# KiCad board for_real_486_2.kicad_pcb (continued)
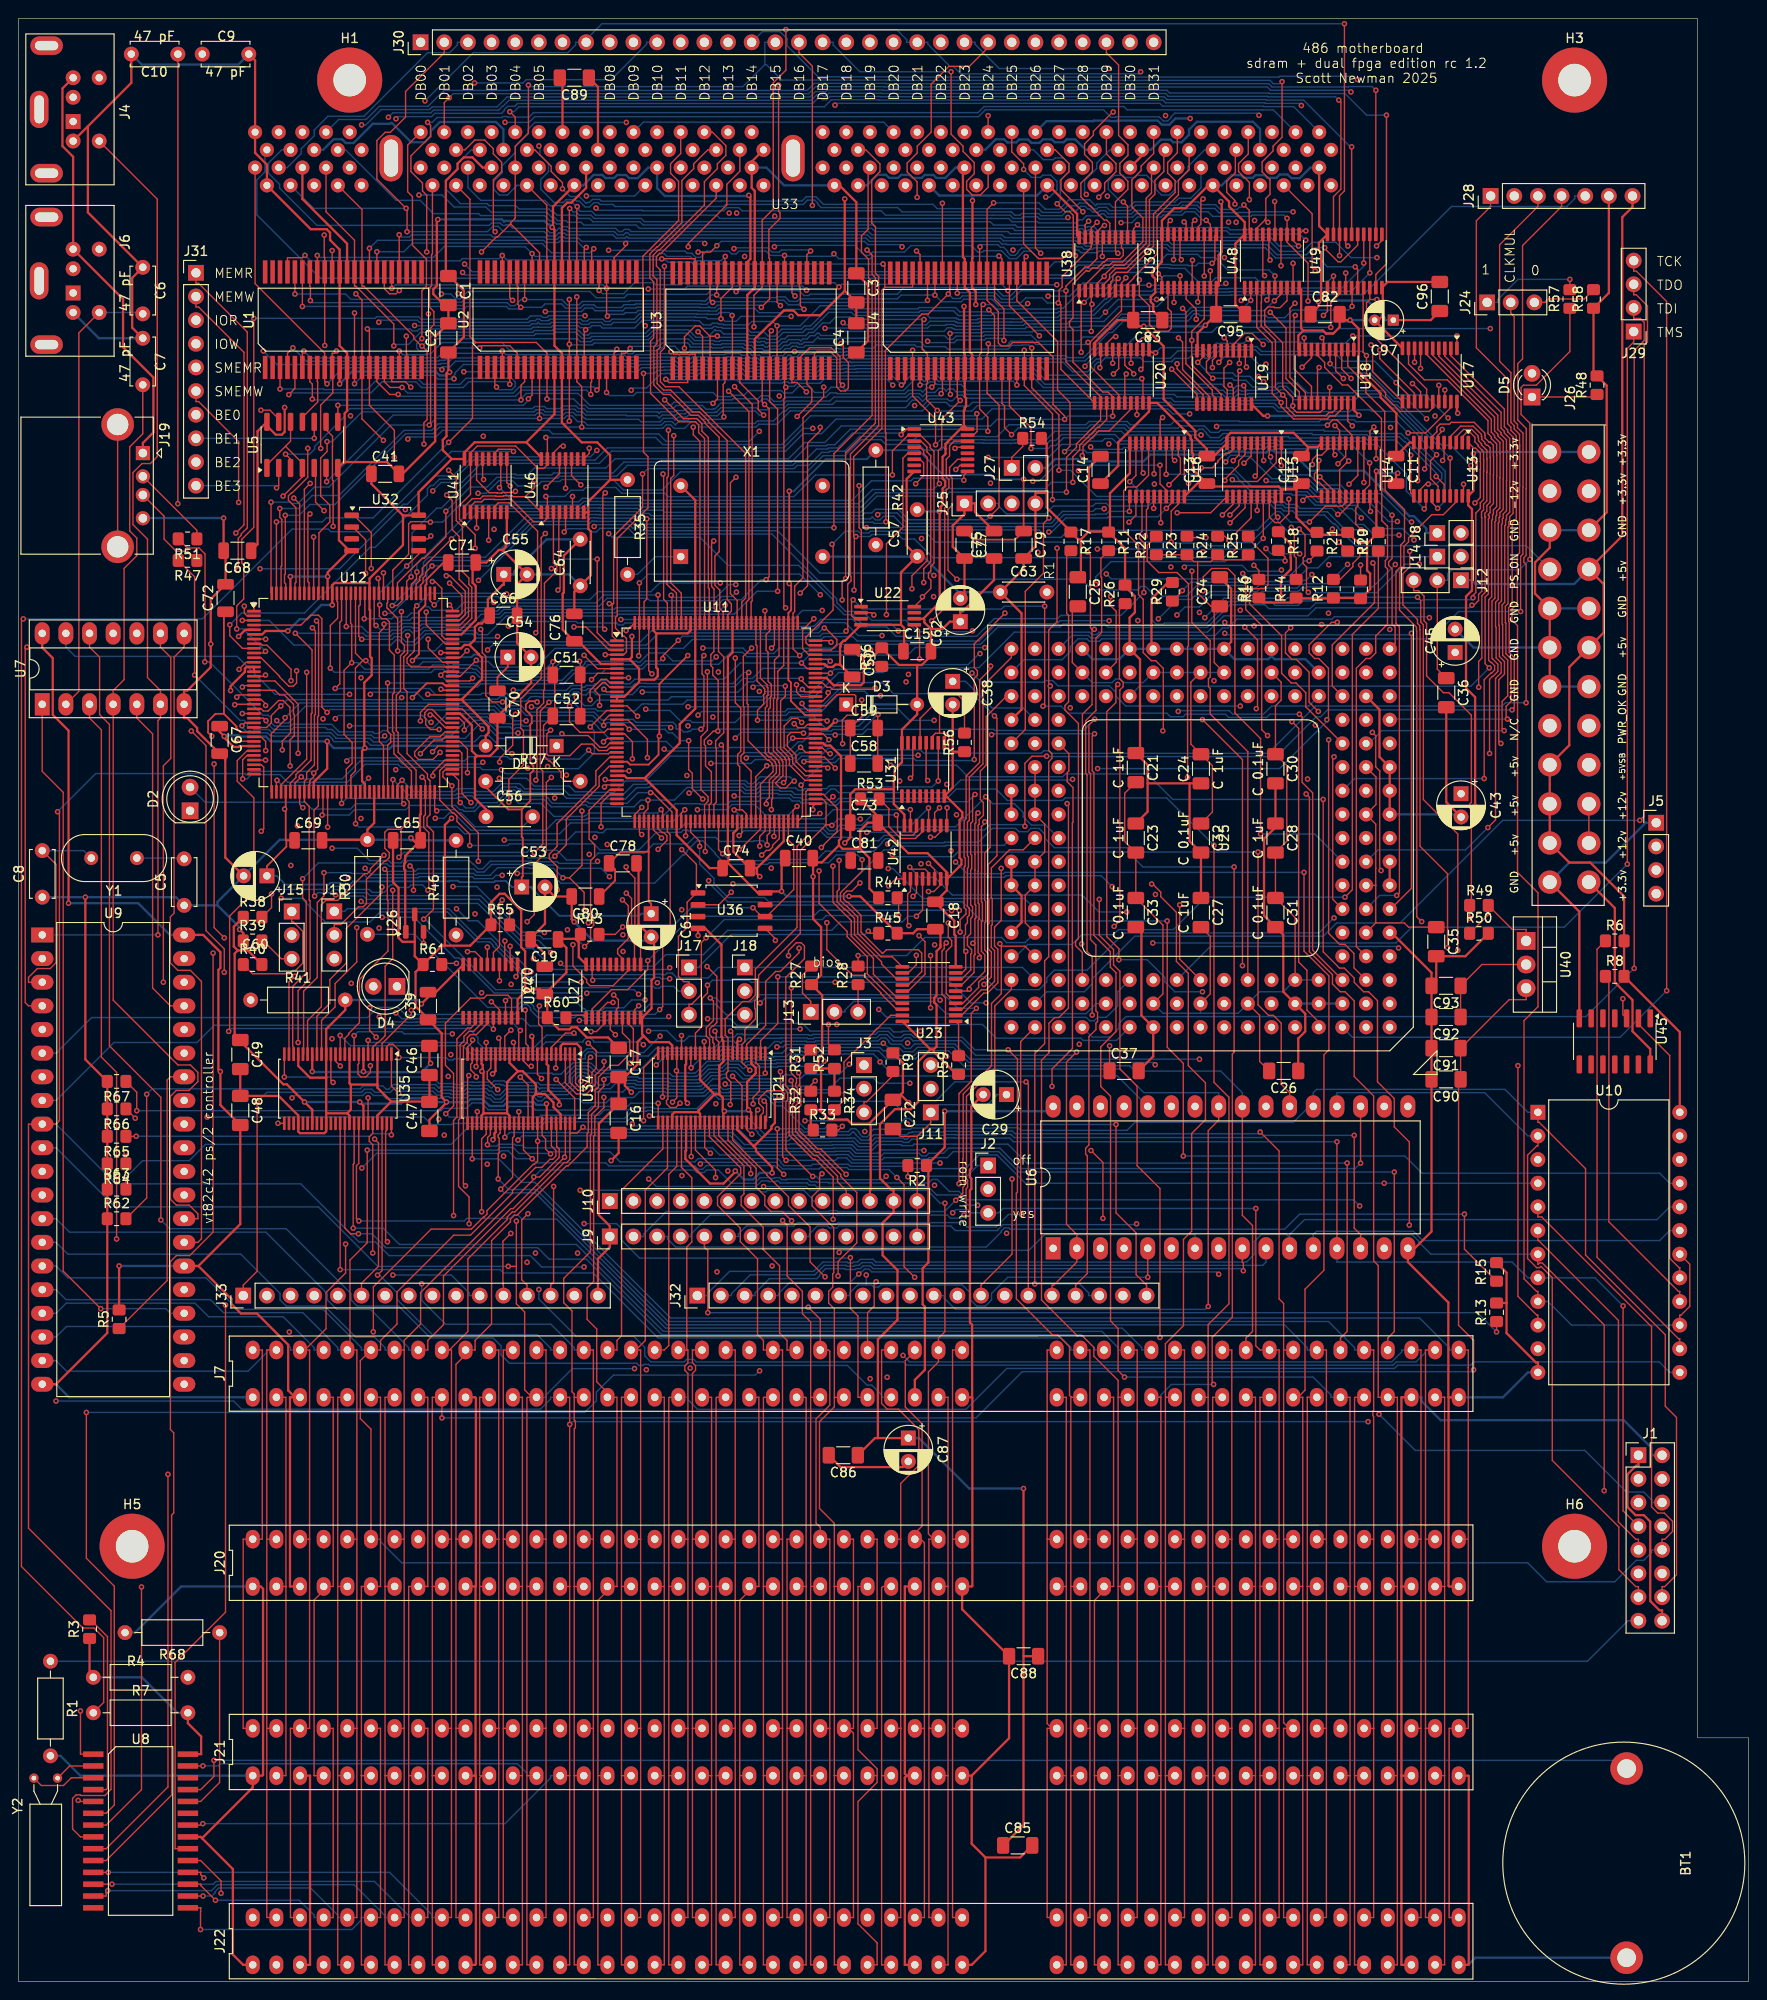
[diagram p0: board, top side]
## Routing (per net, layer and track width the routed paths; a pad name or vN(x,y) marks a point on that pad's centre or on a via; arc(x,y) is an arc through that point) (continued)
  In1.Cu w0.25: J21.3 29.15,22.1 29.15,22.5 27.17,24.48 23.68,24.48 19.31,28.85 R7.2 ; v1(50.34,87.77) 50.43,87.67 63.15,87.67 v1(63.64,88.16) 63.92,88.16 68.59,92.83 ; 68.59,92.83 70.51,92.83 71.79,94.11 71.79,94.22 71.84,94.27 v1(71.84,94.32) 74.83,94.32 v1(74.89,94.27) ; 68.59,92.83 68.38,93.05 68.38,93.22 68.01,93.59 67.84,93.59 67.44,93.99 58.65,93.99 58.48,94.16 58.08,94.16 v1(58.08,94.16) ; J1.3 175.17,53.97 175.17,54.34 176.16,55.34 176.53,55.34 J1.2 ; J8.1 152.38,154.4 153.19,154.4 153.75,153.84 153.75,152.48 154.56,151.67 154.93,151.67 J12.1 ; v1(46.14,97.2) 45.65,97.2 v1(44.25,98.61) ; v1(31.54,97.72) 31.47,97.8 21.74,97.8 v1(21.67,97.73)
  In2.Cu w0.25: v1(50.91,97.47) 48.8,95.36 ; 48.8,95.36 47.99,95.36 v1(46.14,97.2) ; 48.8,95.36 49.93,94.23 49.93,90.32 49.72,90.11 49.72,88.39 v1(50.34,87.77) ; J19.1 13.35,163.07 13.21,163.07 2.53,152.39 U7.14 ; J12.1 154.93,147.6 155.44,147.09 155.44,144.72 154.59,143.87 154.31,143.87 C45.1 ; J7.29 97.34,62.74 97.34,42.42 J20.29 ; v1(74.89,94.27) 77.44,96.82 v1(77.44,101.19) ; J20.3 29.15,42.42 29.15,22.1 J21.3
  Bottom w0.25: v1(99.47,93.46) 110.61,93.46 U6.32 ; J8.1 151.21,155.57 151.21,156.05 149.88,157.38 149.41,157.38 144.52,162.26 138.75,162.26 136.8,164.21 135.01,164.21 134.78,164.44 134.26,164.44 134.03,164.21 131.74,164.21 131.63,164.32 130.3,164.32 130.26,164.36 130.06,164.36 129.7,164 121.57,164 120.83,163.26 113.99,163.26 113.73,163.52 111.35,163.52 110.39,162.56 J27.2 ; R4.1 13.24,32.66 17.05,28.85 R7.2 ; v1(44.25,98.61) 43.3,97.65 37.11,97.65 v1(37.04,97.73) 36.98,97.67 31.59,97.67 v1(31.54,97.72) ; v1(10.8,76.84) U9.26 ; J1.2 175.35,56.51 175.35,57.34 172.41,60.28 152.74,60.28 150.68,62.33 150.68,62.74 J7.78 ; U9.40 16.25,112.4 12.85,115.81 v1(5.36,115.81) ; J12.1 156.1,150.5 156.5,150.09 167.08,150.09 J26.4
+12V: length 248.9
  Top w0.15: U40.3 161.93,105.45 160.11,105.45 C91.1 C90.1 154.67,96.66 154.67,70.47 156.28,68.86 v1(156.28,65.7) ; J20.9 44.44,42.42 ; 44.44,42.42 44.44,62.74 J7.9 v1(45.47,60.53) ; 44.44,42.42 44.44,22.1 ; 44.44,22.1 44.44,1.78 J22.9 ; 44.44,22.1 J21.9 ; J26.10 J26.11
  In2.Cu w0.15: U40.3 161.93,107.91 162.46,107.91 166.56,112.01 166.56,120.17 J26.11
  Bottom w0.15: v1(156.28,65.7) 156.08,65.49 107.81,65.49 102.85,60.53 v1(45.47,60.53)
GND: length 2451.8
  Top w0.25: C78.2 66.59,119.86 66.59,113.54 C61.2 68.26,111.87 68.26,107.8 67.98,107.53 67.98,104.51 66.98,103.5 ; 94.74,95.25 94.18,94.69 C22.1 91.34,92.12 ; 94.74,95.25 v1(95.61,94.39) ; 94.74,95.25 94.99,95.49 94.99,98.66 R9.1 ; v1(59.67,113.81) 59.41,114.07 59.41,116.53 57.56,116.53 C53.2 56.54,113.61 54.99,112.06 C19.2 56.52,110.39 C20.2 ; 102.37,62.74 J7.31 ; 102.37,62.74 102.44,62.67 102.44,42.49 102.37,42.42 J20.31 101.35,39.97 C88.2 106.39,26.11 102.37,22.1 ; 102.37,62.74 102.42,62.79 102.42,70.53 102.19,70.77 102.19,84.97 102.34,85.12 102.34,86.23 102.19,86.38 102.19,87.19 102.33,87.34 102.33,93.98 C29.2 ; 125.77,128.68 121.27,128.68 ; 125.77,128.68 C24.1 ; 125.77,128.68 125.77,122.47 C32.2 C27.1 ; 121.27,128.68 121.27,125.64 C23.1 ; 121.27,128.68 121.27,130.66 C21.1 120.45,132.38 120.45,142.01 U25.S12 119.33,146.48 119.9,147.04 119.9,148.77 118.85,149.82 R26.2 118.85,153.9 R11.1 ; C30.2 C28.1 135,123.95 133.77,122.72 133.77,114.47 C31.2 135.84,112.4 135.84,106.3 U25.B5 137.11,105.02 138.2,103.94 138.2,102.03 137.45,101.29 C26.1 ; 159.82,72.87 159.82,76.13 R15.2 ; 159.82,72.87 R13.2 ; 159.82,72.87 159.82,69.63 162.97,66.49 163.19,66.49 U10.12 ; 67.13,101.56 66.98,101.71 66.98,103.5 ; 67.13,101.56 66.48,100.91 66.48,98.49 65.13,97.13 ; 67.13,101.56 67.8,100.88 69.86,100.88 70.2,100.54 U21.21 ; 103.85,13.31 103.85,3.26 102.37,1.78 J22.31 ; 103.85,13.31 102.37,14.79 102.37,22.1 ; 103.85,13.31 107.58,13.31 C85.2 ; C40.2 85.75,120.19 ; 85.75,120.19 85.34,119.78 v1(85.34,118.67) 85.34,114.11 86.2,113.25 86.2,108.09 R27.1 86.31,105.92 86.31,99.49 85.91,99.1 85.91,98.06 ; 85.75,120.19 86.28,120.19 88.12,122.03 ; 102.37,22.1 J21.31 ; C86.2 88.29,55.24 94.95,55.24 C87.2 ; C76.2 59.69,149.26 C64.1 61.47,151.04 61.47,155.73 61.19,156.01 61.19,157.79 ; 35.29,93.24 35.68,93.63 35.68,96.33 ; 35.29,93.24 35.54,92.99 U35.39 ; 35.29,93.24 33.04,93.24 ; 149.23,78 149.23,77.26 153.57,72.91 153.57,62.79 153.63,62.74 ; 149.23,78 149.23,78.74 ; 149.23,78 151.76,80.54 C90.2 C91.2 C92.2 C93.2 ; U26.1 41.52,112.8 41.52,119.35 41.41,119.47 41.41,120.07 41.52,120.18 41.52,120.9 42.8,122.17 ; 65.64,142 66.65,140.99 66.65,139.82 ; 65.64,142 65.87,142.24 v1(65.87,144.46) ; 65.64,142 U11.5 ; U12.69 43.19,125.38 43.11,125.3 43.11,122.62 C65.2 42.8,122.17 ; U25.K1 U25.L1 U25.M1 146.18,131.52 146.18,136.6 U25.Q2 ; U43.8 95.39,161.38 95.39,154.21 C57.1 94.78,151.33 94.78,145.71 ; U25.S11 121.68,143.32 121.68,148.47 123.47,150.26 R29.2 ; 49.03,42.42 49.08,42.37 49.08,22.15 49.03,22.1 ; 49.03,42.42 49.12,42.5 49.12,62.65 49.03,62.74 J7.10 ; 49.03,42.42 J20.10 ; 99.69,118.42 99.72,118.42 101.27,119.97 101.27,120.49 101.08,120.68 101.08,124.76 101.37,125.05 101.37,125.57 99.62,127.31 U31.8 100.33,128.21 100.33,132.08 ; 99.69,118.42 99.69,117.19 C18.1 98.47,115.88 100.04,114.3 100.13,114.3 100.51,113.92 100.51,112.45 100.65,112.3 U23.10 ; 99.69,118.42 99.69,119.12 97.63,121.18 95.56,121.18 C73.2 ; U33.107 58.42,204.18 C89.2 ; 55.56,95.32 56.53,95.32 57.45,94.4 57.45,93.9 58.22,93.13 U34.45 ; 55.56,95.32 55.56,96.34 54.15,97.76 53.63,97.76 ; 55.56,95.32 55.22,94.98 U34.39 ; C9.1 25.4,206.33 U33.85 25.4,196.41 26.67,195.14 U33.1 31.38,188.2 33.09,188.2 33.45,187.83 33.45,187.04 34.48,186.01 34.48,175.68 35.28,174.88 U1.12 35.28,168.68 35.02,168.42 35.02,163.18 ; 19.7,15.38 19.56,15.52 U8.21 ; 19.7,15.38 23.01,12.06 23.01,2.88 24.12,1.78 J22.1 ; 19.7,15.38 25.15,20.82 J21.1 26.17,22.1 26.26,22.18 26.26,42.17 26.01,42.42 J20.1 ; U12.140 v1(29.19,150.89) ; v1(65.81,95.51) 65.13,96.19 65.13,97.13 ; 85.91,98.06 86.2,98.06 ; 85.91,98.06 R31.1 ; 63.54,161.29 63.54,163.92 62.15,165.31 60.48,165.31 58.36,167.43 U2.12 58.36,174.88 57.55,175.68 57.55,188.16 v1(57.31,188.4) 57.4,188.49 57.4,190.62 U33.23 ; 63.54,161.29 R35.1 ; 63.54,161.29 61.19,158.95 61.19,157.79 ; R56.1 100.33,132.08 ; 100.33,132.08 C38.2 ; 146.05,178.44 C97.2 ; 146.05,178.44 146.05,178.01 U17.10 ; 146.05,178.44 146.52,178.91 146.52,181.83 146.44,181.92 147.05,182.54 C96.2 ; v1(45.03,189.24) 44.92,189.13 44.92,182.13 44.54,181.75 44.54,181.23 45.73,180.05 C1.2 C2.2 44.74,176.67 44.74,165.43 41.24,161.92 C41.2 39.59,163.18 35.02,163.18 ; J7.80 153.63,62.74 ; U34.28 49.72,93 49.93,93.21 49.93,93.24 ; C4.2 C3.2 88.74,181.58 ; v1(129.13,191.16) 129.23,191.07 129.23,185.75 128.89,185.42 128.89,182.16 128.65,181.92 128.65,179.11 C95.2 128.61,179.02 v1(127.48,177.89) 126.64,177.04 126.64,175.21 U19.10 ; U9.20 4.02,64.14 9.52,69.65 R62.1 R63.1 R64.2 R65.2 R66.2 R67.2 7.17,99.02 v1(7.17,116.45) ; R50.2 155.4,110.11 C35.2 152.27,107.44 C93.2 ; 49.23,131.63 50.64,131.63 51.44,132.42 C70.2 51.44,135.85 55.04,139.46 C54.2 53.55,143.74 53.55,150.06 C55.2 51.98,153.76 ; 49.23,131.63 48.69,132.17 48.69,134.91 47.42,136.18 U12.86 ; 49.23,131.63 49.02,131.42 49.02,127.08 50.2,125.89 C56.1 ; 75.27,95.28 75.63,94.92 75.63,93.65 v1(75.82,93.47) 75.7,93.35 U21.39 ; 75.27,95.28 74.75,95.28 ; 75.27,95.28 75.27,98.36 75.7,98.79 U21.10 75.7,100.98 75.58,101.1 75.58,101.39 75.49,101.48 75.49,111.35 73.75,113.1 U36.4 v1(72.98,112.33) ; R41.2 35.08,104.33 33.04,102.29 U35.15 33.04,97.06 ; C25.1 114.1,151.15 114.1,154.88 ; 138.49,164.8 138.49,164.53 C12.2 ; 138.49,164.8 139.53,164.8 U14.10 ; 138.49,164.8 136.96,166.33 130.18,166.33 129.79,165.94 U15.10 128.4,163.83 C13.2 127.64,164.59 126.38,165.84 126.38,166.54 122.99,169.94 122.99,175.63 v1(120.86,177.77) 120.39,177.77 C83.2 ; v1(23.63,144.46) 24.35,145.18 U12.5 ; C10.1 12.1,203.92 7.44,199.25 ; R11.1 117.03,155.72 114.94,155.72 ; R11.1 117.23,155.82 117.23,159.85 119.36,161.98 U16.10 ; 35.02,163.18 34.91,163.18 U5.7 34.41,162.44 34.41,154.79 35.52,153.67 ; C46.1 C47.2 44.1,94.5 40.02,94.5 ; J1.1 173.99,55.39 173.74,55.39 172.81,54.46 172.81,50.95 173.68,50.08 174.57,50.08 175.26,49.39 175.26,40.85 176.25,39.86 176.53,39.86 J1.16 ; 7.44,199.25 J4.3 ; 7.44,199.25 7.44,190.01 C6.1 12.2,182.98 12.2,177.62 C7.1 ; 88.74,181.58 88.74,181.58 88.74,191.45 v1(88.74,191.46) ; 88.74,181.58 86.12,178.96 83.74,178.96 83.24,179.47 82.18,179.47 80.64,177.92 80.59,177.92 79.07,176.4 U3.12 ; 94.78,145.71 U22.4 88.77,144 88.61,144 88.29,143.69 88.29,143.37 88.24,143.32 88.24,141.45 88.22,141.44 ; 94.78,145.71 95.12,145.37 95.12,142.95 C15.1 ; C83.2 118.02,178.44 115.57,175.99 U20.10 ; C83.2 119.77,178.48 U38.10 ; U27.10 66.98,103.5 ; U4.12 102.42,174.75 102.18,175 102.18,181.4 101.62,181.96 U4.34 101.62,185.01 101.43,185.21 101.43,194.65 U33.54 ; 153.63,62.74 153.59,62.7 153.59,42.49 153.66,42.42 J20.80 ; C62.2 101.6,149 C77.2 100.34,154.09 100.34,156.36 101.6,157.62 J25.1 102.73,158.75 102.73,157.83 C75.2 ; 110.43,159.88 109.22,159.88 J25.4 109.22,154.13 107.95,152.86 C79.2 107.95,151.72 C63.1 107.73,146.95 107.73,136.6 U25.P17 ; 110.43,159.88 110.43,158.32 113.03,155.72 R17.1 113.82,154.88 114.1,154.88 ; 110.43,159.88 110.43,165.16 R54.2 ; 88.22,141.44 C50.2 ; 88.22,141.44 87.74,141.44 87.58,141.28 87.54,141.28 87.44,141.18 86.92,141.18 86.82,141.28 86.79,141.28 86.63,141.44 86.57,141.44 86.51,141.5 85.59,141.5 U11.103 ; U18.10 137.46,175.38 137.46,176.78 138,177.32 ; U25.L17 U25.K17 ; 60.69,157.79 61.19,157.79 ; 51.98,153.76 52.34,154.12 52.34,154.51 52.44,154.61 U41.8 ; 51.98,153.76 51.98,153.75 51.58,153.75 50.23,152.4 C71.2 48.77,152.07 48.77,150.22 49.1,149.89 49.1,146.21 47.57,144.68 U12.103 ; 114.1,154.88 114.94,155.72 ; 35.52,153.67 33.19,151.34 v1(33.19,150.89) 33.19,150.89 U12.132 ; 35.52,153.67 U32.4 ; 53.63,97.76 52.72,98.66 U34.15 ; 53.63,97.76 52.48,96.6 52.48,93.24 ; 66.65,139.82 66.65,139.57 65.08,138 U11.13 U11.14 ; 66.65,139.82 68.28,139.82 68.65,140.18 68.65,140.95 68.49,141.12 68.49,144.79 ; v1(78.43,191.84) 78.61,191.67 78.61,185.01 78.27,184.68 U3.34 ; R33.1 85.09,91.71 R32.1 86.16,93.61 ; 114.94,155.72 114.94,162.57 C14.2 ; 33.04,93.24 U35.34 33.04,91.3 32.84,91.1 30.22,91.1 30.04,91.28 U35.28 30.04,93.01 27.93,95.11 C48.1 C49.2 ; 33.04,93.24 33.04,97.06 ; J21.10 49.03,22.1 ; 49.03,22.1 49.12,22.01 49.12,1.86 49.03,1.78 J22.10 ; v1(22.02,157.18) C68.2 22.23,153.46 C72.2 20.63,148.47 v1(20.63,143.65) 20.63,141.16 18.12,138.65 17.77,138.65 U7.7 17.77,135.69 18.11,135.69 19.18,134.63 19.18,134.29 C67.2 22.2,131.26 22.2,120.71 C60.2 ; U34.34 52.72,92.99 52.48,93.24 ; 52.48,93.24 49.93,93.24 ; 49.93,93.24 49.93,97.66 49.84,97.75 ; 42.8,122.17 v1(42.14,122.82) ; U25.E17 107.73,113.74 107.73,116.63 U25.G17 U25.H17 ; U21.15 73.2,96.83 74.75,95.28 ; v1(79.6,118.67) 79.31,118.97 79.31,119.58 ; C34.2 130.24,149.58 130.24,143.88 U25.S8 ; 86.2,98.06 R52.1 R34.1 ; 86.2,98.06 86.2,93.65 86.16,93.61 ; U11.86 86.41,133 86.67,132.74 87.19,132.74 88.34,131.59 88.34,122.77 88.12,122.55 88.12,122.03 ; 49.84,97.75 v1(49.76,97.75) ; 49.84,97.75 49.84,98.44 49.72,98.56 U34.21 ; 73.03,93.36 73.2,93.2 U21.34 ; 73.03,93.36 73.03,93.57 74.75,95.28 ; 73.03,93.36 70.46,93.36 70.2,93.1 U21.28 ; v1(60.4,96.7) 60.4,100.26 59.95,100.71 58.46,100.71 58.22,100.47 U34.4 ; 88.12,122.03 88.49,121.65 90.4,121.65 ; C73.2 92.28,125.16 R53.1 ; C73.2 91.21,124.46 90.4,123.65 90.4,121.65 ; 38.19,127.77 38.19,124.43 37.47,123.7 R30.2 32.66,122.62 C69.2 ; v1(55.12,101.51) 55.22,101.4 U34.10 ; 138,177.32 140.11,177.32 140.44,176.98 141.2,176.98 141.9,177.68 C82.2 142.53,178.44 v1(143.02,178.44) 143.95,177.51 143.95,172.91 146.29,170.57 146.29,170.14 147.99,168.44 147.99,163.86 C11.1 149.4,165.28 U13.10 ; 138,177.32 137.76,177.56 137.76,181.71 U48.10 ; 35.68,96.33 38.54,96.33 ; 35.68,96.33 35.54,96.47 U35.10 ; J26.15 164.46,153.99 162.88,152.41 162.88,149.06 J26.17 J26.18 J26.19 ; J10.12 91.44,84.95 91.52,85.03 91.52,91.94 91.34,92.12 ; C93.2 151.76,108.34 147.46,112.65 U25.E1 ; C33.2 120.6,112.64 120.6,103.76 U25.A11 121.87,99.36 C37.2 ; J26.3 170.58,157.79 170.58,171.41 R48.2 169.16,172.83 R58.1 170.81,181.36 J28.6 ; U33.68 120.65,196.09 U33.152 ; U25.H1 U25.G1 ; 65.13,97.13 C17.2 C16.1 62.32,92.13 62.32,82.31 63.5,81.14 J9.1 63.5,78.88 62.23,77.61 J33.16 ; 79.31,119.58 82.18,122.45 U11.69 ; 79.31,119.58 C74.2 78.53,119.58 76.77,121.34 76.77,123.33 77.18,123.74 U11.59 ; 68.49,144.79 71.87,144.79 72.18,145.1 U11.132 ; 68.49,144.79 68.18,145.1 U11.140 ; J26.24 167.64,114.9 U45.7 ; U12.14 U12.13 24.48,141.18 24.31,141 24.31,140.66 22.77,139.12 v1(22.77,138.65) ; J22.80 155.71,1.78 155.76,1.83 155.76,22.05 155.71,22.1 J21.80 ; 40.02,94.5 38.54,95.98 38.54,96.33 ; 40.02,94.5 38.54,93.02 U35.45 ; v1(135.59,148.73) 135.59,150.61 136.66,151.67 136.66,152.9 136.62,152.93 136.62,154.4 R18.1 ; 86.16,93.61 86.16,93.45 87.03,92.58 89.03,92.58 89.49,92.12 91.34,92.12 ; 38.54,96.33 U35.4 ; 33.04,97.06 31.31,97.06 30.04,98.33 U35.21 ; v1(23.74,112.98) 24.13,112.59 R39.1 ; U24.10 47.75,109.18 44.82,106.25 C39.2 43.97,105.71 v1(43.26,105) ; C36.2 153.35,126.66 C43.2 ; 90.4,121.65 91.39,120.66 91.39,117.38 R44.1 ; U21.45 78.7,93.31 v1(78.4,93.61) 78.25,93.76 78.25,96.62 79.17,97.54 79.17,98.13 78.7,98.6 U21.4
  In1.Cu w0.25: C53.2 52.43,121.66 51.73,121.66 50.2,123.19 ; 52.66,101.51 49.16,105 v1(43.26,105) ; 52.66,101.51 v1(55.12,101.51) ; 52.66,101.51 51.82,100.66 51.82,99.81 v1(49.76,97.75) ; U7.7 17.77,138.65 v1(22.77,138.65) ; C64.1 60.33,149.11 64.98,144.46 v1(65.87,144.46) ; v1(60.4,96.7) 61.02,96.08 65.24,96.08 v1(65.81,95.51) ; v1(85.34,118.67) v1(79.6,118.67) 79.32,118.67 v1(72.98,112.33) 68.09,112.33 C61.2 ; C87.2 101.17,61.46 101.35,61.46 J7.31 ; U25.R4 140.75,139.48 143.29,139.48 U25.Q2 146.18,139.5 146.18,141.04 146.82,141.67 150.74,141.67 C45.2 ; 50.2,123.19 48.7,123.19 48.07,122.55 R46.2 ; 50.2,123.19 C56.1 ; U33.78 131.13,194.82 129.49,193.18 129.49,191.52 v1(129.13,191.16) ; J1.1 172.86,56.51 172.86,56.81 164.27,65.41 U10.12 ; U33.64 115.25,194.82 116.35,193.72 117.33,193.72 118.43,194.82 U33.68 ; v1(78.43,191.84) 78.54,191.73 88.46,191.73 v1(88.74,191.46) 90.17,192.89 U33.43 ; C43.2 161.94,118.07 J26.24 ; U25.P17 106.43,135.3 102.16,135.3 C38.2 ; v1(23.74,112.98) 31.31,105.41 R41.2 ; C29.2 103.07,94.71 95.93,94.71 v1(95.61,94.39) ; v1(20.63,143.65) 21.44,144.46 v1(23.63,144.46) ; U25.B5 135.84,103.76 133.3,103.76 U25.A7 130.93,103.59 128.05,103.59 U25.A9 125.84,103.6 122.98,103.6 U25.A11
  In2.Cu w0.25: U25.H1 146.16,121.38 146.16,124.23 147.27,125.34 U25.K1 ; v1(45.03,189.24) 43.18,191.09 43.18,191.25 43.26,191.25 43.63,191.61 43.63,192.13 43.26,192.5 43.21,192.5 43.18,192.53 U33.12 43.18,195.45 U33.96 ; U25.S6 134.57,147.71 v1(135.59,148.73) ; U33.107 59.37,198.63 60.78,197.22 60.78,196.23 59.69,195.14 U33.23 ; U33.32 69.85,196.09 U33.116 ; J20.1 26.17,42.42 26.26,42.5 26.26,62.65 26.17,62.74 J7.1 ; U25.L17 U25.M17 107.74,131.54 107.74,134.39 U25.P17 ; U25.B3 143.46,106.3 143.46,107.89 144.41,108.84 145.06,108.84 146,109.78 146,111.38 U25.E1 146.16,113.76 146.16,116.61 U25.G1 ; U33.162 132.08,195.45 U33.78 ; U33.64 115.57,196.09 U33.148 ; U33.127 89.85,198.63 91.26,197.22 91.26,196.23 90.17,195.14 U33.43 ; U25.K17 106.63,124.64 107.74,123.53 107.74,121.38 U25.H17 ; J20.80 153.66,42.42 153.57,42.33 153.57,22.18 153.66,22.1 J21.80 ; U33.54 100.7,194.82 99.24,196.27 99.24,197.17 100.24,198.18 100.24,198.81 101.15,199.72 102.05,199.72 102.87,198.9 U33.138
  Bottom w0.25: v1(43.26,105) 42.85,105.41 R41.2 ; C64.1 59.1,151.12 54.62,151.12 C55.2 ; C61.2 67.54,111.78 61.69,111.78 v1(59.67,113.81) ; J26.15 J26.3 ; BT1.2 156.47,2.54 155.71,1.78 J22.80 ; C7.1 8.62,176.49 J6.3 ; v1(23.74,112.98) 23.74,113.2 21.37,115.57 ; C63.1 101.83,149.22 C62.2 101.15,149.05 97.13,153.07 C57.1 96.48,153.03 X1.7 ; C43.2 154.66,125.35 U25.K1 ; J7.80 159.44,62.74 162.11,65.41 U10.12 ; U33.148 114.62,196.72 113.49,197.85 112.57,197.85 112.26,197.54 111.29,197.54 110.98,197.85 110.03,197.85 109.65,197.47 108.79,197.47 108.42,197.84 107.48,197.84 107.16,197.52 106.2,197.52 105.86,197.86 104.96,197.86 103.82,196.72 U33.138 ; J19.4 13.37,157.18 v1(22.02,157.18) ; J20.1 17.46,42.42 12.51,37.46 R68.2 ; U33.54 100.65,194.82 99.53,193.7 98.59,193.7 98.26,194.03 97.32,194.03 97,193.71 96.04,193.71 95.72,194.03 94.78,194.03 94.46,193.71 93.5,193.71 93.16,194.05 92.26,194.05 91.12,192.91 U33.43 ; v1(120.86,177.77) 127.36,177.77 v1(127.48,177.89) 127.89,178.29 142.88,178.29 v1(143.02,178.44) C97.2 ; v1(42.14,122.82) 42,122.68 42,122.62 ; U25.B5 U25.B4 U25.B3 ; C8.1 v1(7.17,116.45) 16.9,116.45 C5.1 21.37,115.57 ; U25.S14 115.36,142.01 118.22,142.01 U25.S12 U25.S11 U25.S10 U25.S9 U25.S8 130.6,142.01 134.23,142.01 134.57,142.36 ; U25.R4 138.22,142.01 134.91,142.01 134.57,142.36 ; J26.17 J26.5 ; 134.57,142.36 U25.S6 ; U33.162 133.35,198.97 132.58,199.74 126.57,199.74 125.72,198.9 125.72,198.35 124.91,197.54 124.01,197.54 123.72,197.82 122.7,197.82 121.6,196.72 U33.152 ; J5.1 174.77,124.45 174.77,124.45 170.49,120.17 166.56,120.17 J26.24 ; U33.23 60.64,192.91 61.75,194.02 62.71,194.02 63.03,193.7 63.97,193.7 64.29,194.02 65.25,194.02 65.59,193.68 66.49,193.68 67.63,194.82 U33.32 68.58,192.6 69.42,191.76 78.36,191.76 v1(78.43,191.84) ; 42,122.62 R30.2 28.05,122.62 C60.2 21.37,115.94 21.37,115.57 ; 42,122.62 42.07,122.55 R46.2 ; C9.1 23.6,205.88 13.23,205.88 C10.1 ; v1(78.4,93.61) 78.25,93.47 v1(75.82,93.47) ; R1.2 4.5,24.23 6.63,22.1 J21.1 ; v1(57.31,188.4) 57.01,188.7 56.88,188.7 56.49,189.09 52.23,189.09 52.15,189.01 51.89,189.27 45.06,189.27 v1(45.03,189.24) ; J26.19 J26.7 ; U9.20 4.02,64.14 5.42,62.74 24.12,62.74 24.12,62.74 J7.1 ; C45.2 156.27,143.27 J26.18 ; v1(29.19,150.89) v1(33.19,150.89)
A00: length 130.9
  Top w0.15: U13.2 155.06,165.9 155.5,166.34 155.95,166.34 156.42,165.86 156.42,165.36 156.78,165.01 156.78,164.9 157.19,164.49 157.35,164.32 157.35,163.41 157.37,163.39 157.37,162.25 157.35,162.23 157.35,159.16 157,158.81 157,158.19 156.53,157.72 156.53,149.18 156.22,148.88 v1(156.22,148.62) ; U11.41 68.18,123.69 v1(69.06,122.82)
  In2.Cu w0.15: v1(69.06,122.82) 69.59,123.35 69.59,128.65 69.92,128.98 69.92,129.48 70.97,130.53 70.97,133.79 71.32,134.14 71.32,135.28 72.48,136.44 72.48,142.2 v1(73.49,143.21)
  Bottom w0.15: v1(156.22,148.62) 156.01,148.41 150.82,148.41 150.47,148.06 139.34,148.06 138.73,147.45 134.29,147.45 133.88,147.86 130.11,147.86 127.68,145.43 117.04,145.43 116.67,145.8 112.19,145.8 111.87,145.48 105.18,145.48 103.32,143.62 88.06,143.62 87.65,143.2 81.68,143.2 81.11,142.63 78.38,142.63 77.8,143.21 v1(73.49,143.21)
A01: length 132.8
  Top w0.15: U13.3 154.42,165.9 155.21,166.69 156.09,166.69 156.78,166.01 156.78,165.82 156.82,165.78 156.82,165.47 157.13,165.16 157.13,165.05 157.54,164.63 157.71,164.47 157.71,163.56 157.72,163.54 157.72,162.1 157.71,162.09 157.71,159.02 157.36,158.66 157.36,158.05 157.14,157.83 157.14,157.25 157.17,157.22 157.17,149.33 156.82,148.98 156.82,148.32 156.31,147.81 v1(156.1,147.81) ; v1(68.69,121.59) 69.63,122.54 69.63,123.06 69.3,123.39 69.12,123.39 68.68,123.83 U11.42
  In2.Cu w0.15: v1(68.69,121.59) 68.44,121.84 68.44,126.11 68.47,126.14 68.47,128.53 70.62,130.67 70.62,133.93 70.97,134.28 70.97,135.05 70.82,135.21 70.82,135.27 71.91,136.36 v1(71.91,136.91)
  Bottom w0.15: v1(71.91,136.91) 79.73,136.91 80.66,137.84 85.34,137.84 88.09,140.58 92.86,140.58 93.35,141.08 102.14,141.08 102.17,141.11 103.15,141.11 106.95,144.92 115.04,144.92 115.31,144.64 115.79,144.64 116.06,144.92 127.69,144.92 129.45,146.68 138.49,146.68 139.35,147.54 155.82,147.54 v1(156.1,147.81)
A02: length 79.3
  Top w0.15: v1(156.83,139) 156.83,141.79 157.17,142.13 157.17,148.83 157.52,149.18 157.52,157.22 157.56,157.26 157.56,157.32 157.49,157.39 157.49,157.68 157.71,157.9 157.71,158.52 158.06,158.87 158.06,161.94 158.08,161.96 158.08,163.68 158.06,163.7 158.06,164.73 157.81,164.98 157.69,164.98 157.48,165.19 157.48,165.3 157.17,165.62 157.17,165.92 157.13,165.96 157.13,166.15 156.23,167.05 154.9,167.05 153.76,165.92 U13.4
  In1.Cu w0.15: U25.Q14 117.4,134.9 136.19,134.9 136.74,134.36 142.54,134.36 143.32,135.14 143.32,135.58 144.51,136.78 154.6,136.78 v1(156.83,139)
A03: length 53.5
  Top w0.15: v1(152.96,163.36) 153.12,163.52 U13.5
  In1.Cu w0.15: v1(152.96,163.36) 146.53,163.36 146.09,162.92 145.74,162.92 145.35,162.53 145.21,162.53 143.48,160.8 143.48,160.57 143.14,160.23 142.86,160.23 139.23,156.61 139.23,156.51 138.9,156.17 138.71,156.17 137.88,155.34 137.37,155.34 134.6,152.56 134.6,152.17 132.02,149.59 131.53,149.59 129.56,147.62 125.84,147.62 125.56,147.34 123.53,147.34 123.12,146.93 121.54,146.93 121.38,147.1 119.4,147.1 117.52,145.22 117.4,145.22 115.52,143.34 115.52,142.9 114.48,141.86 112.98,141.86 U25.R15
A04: length 56.8
  Top w0.15: U13.6 152.46,166.07 152.92,166.52 v1(152.92,166.69)
  In1.Cu w0.15: v1(152.92,166.69) 150.82,164.6 145.77,164.6 144.02,162.85 144.02,162.63 143.36,161.97 143.25,161.97 142.06,160.79 142.06,160.65 138.85,157.44 138.53,157.44 137.83,156.74 136.47,156.74 136.13,156.41 136.13,154.7 134.24,152.81 134.24,152.32 131.87,149.94 131.37,149.94 129.48,148.05 123.74,148.05 123.08,147.39 122.86,147.39 122.75,147.28 121.92,147.28 121.76,147.45 119.13,147.45 117.71,146.03 117.71,145.91 117.38,145.57 117.07,145.57 115.75,144.25 110.3,144.25 U25.S16
A05: length 73.9
  Top w0.15: v1(157.97,141.09) 157.52,141.53 157.52,148.68 157.87,149.04 157.87,157.07 157.97,157.17 157.97,157.41 157.87,157.51 157.87,157.57 158.06,157.76 158.06,158.37 158.41,158.72 158.41,161.8 158.43,161.81 158.43,163.83 158.41,163.85 158.41,165 158.07,165.34 157.94,165.34 157.52,165.76 157.52,166.07 157.48,166.11 157.48,166.32 156.34,167.46 153.88,167.46 153.7,167.27 152.68,167.27 152.34,166.93 152.34,166.44 151.81,165.92 U13.7
  Bottom w0.15: v1(157.97,141.09) 155.99,139.12 120.4,139.12 U25.Q12
A06: length 61.1
  Top w0.15: v1(151.02,162.45) 151.17,162.6 U13.8
  In2.Cu w0.15: v1(151.02,162.45) 150.85,162.28 150.85,160.59 151.57,159.86 151.57,157.92 151.19,157.54 151.19,146.83 v1(151.54,146.48)
  Bottom w0.15: v1(151.54,146.48) 151.44,146.57 141.33,146.57 141.08,146.32 130.85,146.32 129.9,145.37 129.32,145.37 128.51,144.57 116.2,144.57 115.93,144.29 115.16,144.29 114.89,144.57 113.15,144.57 U25.S15
A07: length 53.7
  Top w0.15: U13.9 150.4,165.16 150.4,161.32 v1(150.27,161.19)
  In1.Cu w0.15: U25.Q13 117.65,138.05 118.69,139.08 119.33,139.08 120.48,140.23 120.48,140.69 121.82,142.03 122.33,142.03 123.14,142.84 123.14,143.34 126.11,146.31 127.24,146.31 v1(127.41,146.48)
  In2.Cu w0.15: v1(150.46,152.23) 150.46,155.06 150.18,155.33 150.18,156.49 150.27,156.58 v1(150.27,161.19)
  Bottom w0.15: v1(150.46,152.23) 148.94,152.23 145.87,149.16 139.32,149.16 138.78,148.62 136.31,148.62 135.83,148.15 135.35,148.15 134.94,148.56 129.49,148.56 v1(127.41,146.48)
A08: length 47.7
  Top w0.15: v1(117.3,148.75) 117.3,147.75 117.89,147.16 117.89,141.68 U25.R13 ; U14.2 145.15,166.53 v1(145.57,166.95)
  In1.Cu w0.15: v1(145.57,166.95) 142.3,163.68 142.3,162.07 138.37,158.14 138.24,158.14 137.68,157.58 135.76,157.58 135.5,157.84 135.01,157.84 132.81,155.65 127.19,155.65 126.9,155.35 126.36,155.35 123.28,152.28 120.82,152.28 v1(117.3,148.75)
A09: length 37.7
  Top w0.15: U14.3 v1(144.5,161)
  In1.Cu w0.15: v1(144.5,161) 144.26,160.76 144.16,160.76 143.29,159.88 143.1,159.88 138.18,154.96 137.56,154.96 134.95,152.35 134.95,152.02 132.16,149.24 131.83,149.24 127.47,144.88 127.22,144.88 125.68,143.35 125.68,142.89 124.65,141.86 124.17,141.86 123.14,140.83 123.14,139.32 U25.Q11
A10: length 43.8
  Top w0.15: v1(142.9,160.81) 143.85,161.76 U14.4
  In1.Cu w0.15: U25.S13 116.79,143.59 119.95,146.75 121.19,146.75 121.58,146.36 v1(122.43,146.36)
  In2.Cu w0.15: v1(142.74,152.2) 142.76,152.21 142.76,153.82 142.94,154.01 142.94,160.77 v1(142.9,160.81)
  Bottom w0.15: v1(142.74,152.2) 140.68,150.13 138.15,150.13 138.06,150.04 137.71,150.04 137.33,149.66 133.4,149.66 133.03,149.28 127.95,149.28 127.81,149.14 127.81,149.12 127.47,148.78 126.29,148.78 125.94,148.43 124.51,148.43 v1(122.43,146.36)
